# Allegro board 1156197-TDI_VU3P_QSFP28_CXP_V001_1023A-166-20241121_1644_PCB.brd (continued)
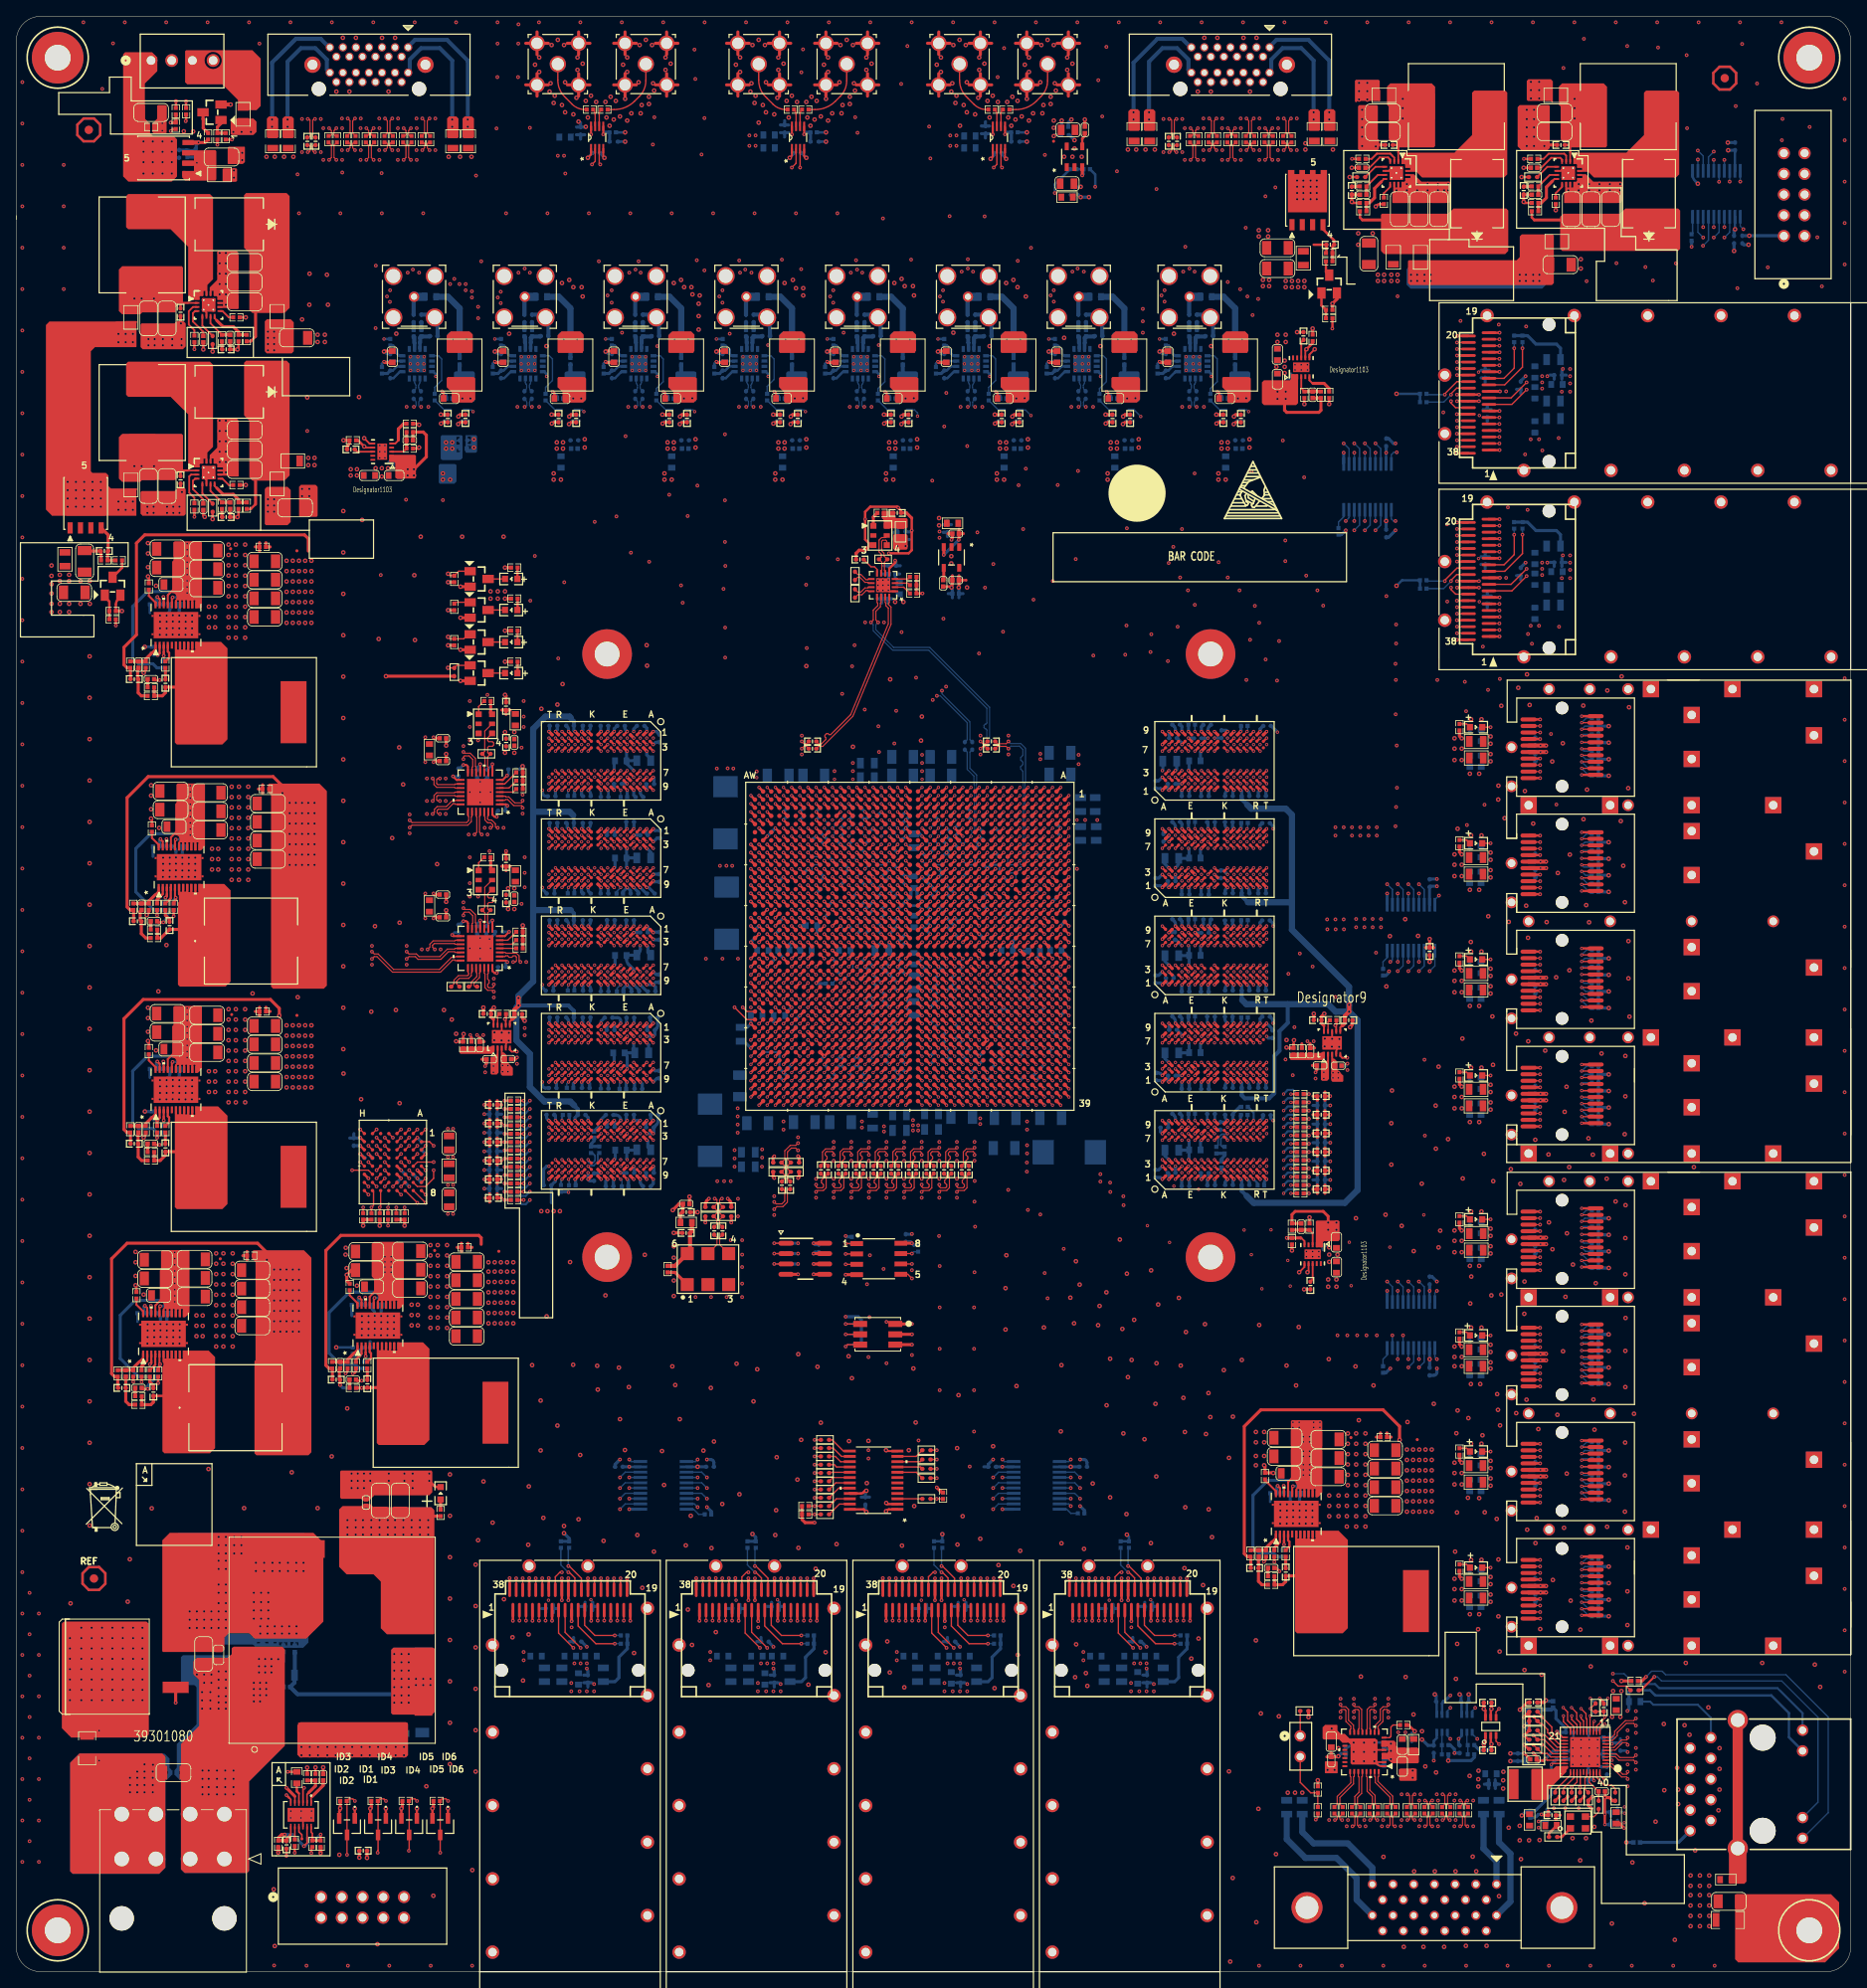
[diagram p0: board, top side]
## Routing (per net, layer and track width the routed paths; a pad name or vN(x,y) marks a point on that pad's centre or on a via; arc(x,y) is an arc through that point) (continued)
CHA_FPGA_DDR4_C2_D12: length 35.4
  TOP w0.267: U13.C2 v3(142.97,121.94) ; U1.K15 v1(120.1,131.36)
  ART16 w0.165: 143.37,120.84 143.37,121.53 142.97,121.93 v3(142.97,121.94)
  ART16 w0.191: v1(120.1,131.36) 119.88,131.13 arc(119.7,130.86) 119.63,130.55 119.63,129.23 arc(119.65,129.14) 119.7,129.07 119.82,128.95 arc(119.9,128.9) 119.99,128.88 120.11,128.88 arc(120.28,128.85) 120.43,128.75 120.45,128.73 arc(120.56,128.56) 120.6,128.36 120.6,128.22 arc(120.61,128.15) 120.66,128.09 120.74,128.01 arc(120.87,127.92) 121.02,127.89 129.94,127.89 arc(130.06,127.89) 130.18,127.88 arc(131.35,127.58) 132.34,126.89 140.95,118.29 arc(141.17,118.14) 141.43,118.08 142.37,118.08 143.37,119.08 143.37,120.84
CHA_FPGA_DDR4_C2_D13: length 35.6
  TOP w0.267: U13.C8 v3(142.97,126.74) ; U1.K13 v1(120.1,133.36)
  ART16 w0.165: 143.45,128.62 143.37,128.53 143.37,126.9 143.2,126.74 v3(142.97,126.74)
  ART16 w0.191: 143.45,128.62 143.54,128.7 143.54,129.16 143.34,129.35 142.94,129.35 142.75,129.54 142.75,130.12 140.87,132 139.93,132 139.47,132.46 139.47,134.06 139.21,134.32 138.68,134.32 138.41,134.59 138.41,135.04 136.56,136.88 131.71,136.88 130.92,136.09 130.08,136.09 129.84,135.86 123.94,135.86 123.6,135.51 123.6,135.13 123.37,134.9 122.91,134.9 122.61,135.2 122.61,135.7 122.45,135.86 121.89,135.86 121.54,135.51 121.54,135.13 121.21,134.8 120.92,134.8 120.54,134.43 120.54,133.8 v1(120.1,133.36)
CHA_FPGA_DDR4_C2_D14: length 37.1
  TOP w0.267: U1.H16 v1(122.1,130.36) ; U13.D3 v3(143.77,122.74)
  ART16 w0.165: 141.77,122.13 141.77,123.86 141.58,124.05 141.58,125.07 141.94,125.43 142.91,125.43 143.08,125.26 143.08,124.93 142.91,124.77 142.38,124.77 142.21,124.6 142.21,124.27 142.38,124.11 143.19,124.11 143.36,123.94 143.36,123.15 v3(143.77,122.74)
  ART16 w0.191: v1(122.1,130.36) 122.1,130.05 122.29,129.86 128.36,129.86 128.78,129.44 129.34,129.44 129.51,129.62 129.51,129.92 129.72,130.12 130.13,130.12 130.32,129.93 130.32,129.25 130.51,129.06 130.89,129.06 131.08,129.25 131.08,129.93 131.27,130.12 131.64,130.12 131.83,129.93 131.83,129.06 139.27,121.62 141.55,121.62 141.77,121.83 141.77,122.13
CHA_FPGA_DDR4_C2_D15: length 35.4
  TOP w0.267: U1.L13 v1(119.1,133.36) ; U13.D7 v3(143.77,126.74)
  ART16 w0.165: 144.17,128.48 144.17,127.41 arc(144.12,127.16) 143.98,126.95 v3(143.77,126.74)
  ART16 w0.191: 144.17,128.48 144.17,128.91 143.8,129.78 141.35,132.24 arc(141.07,132.42) 140.74,132.49 140.7,132.49 arc(140.5,132.53) 140.34,132.64 140.26,132.72 arc(140.11,132.94) 140.06,133.2 140.06,134.04 arc(140.01,134.27) 139.88,134.47 137.05,137.3 136.65,137.46 130.8,137.46 arc(130.62,137.45) 130.44,137.39 130.18,137.28 129.44,136.98 arc(129.26,136.92) 129.08,136.91 122,136.91 arc(121.68,136.77) 121.54,136.45 121.54,136.27 arc(121.44,136.02) 121.19,135.91 arc(120.73,135.73) 120.54,135.27 120.54,135.17 arc(120.47,134.99) 120.28,134.91 arc(119.82,134.72) 119.63,134.26 119.63,134.2 arc(119.58,133.91) 119.42,133.67 v1(119.1,133.36)
CHA_FPGA_DDR4_C2_D16: length 33.6
  TOP w0.267: U14.G2 v3(145.37,133.88) ; U1.G17 v1(123.1,129.36)
  ART03 w0.165: 144.97,132.74 144.97,133.48 v3(145.37,133.88)
  ART03 w0.191: v1(123.1,129.36) 123.6,129.86 123.6,130.59 123.87,130.86 125.24,130.86 125.6,131.21 125.6,131.57 125.89,131.86 130.04,131.86 130.31,131.58 130.31,131.08 130.5,130.89 130.88,130.89 131.07,131.08 131.07,131.64 131.27,131.83 131.65,131.83 131.84,131.64 131.84,130.95 132.03,130.76 132.41,130.76 132.6,130.95 132.6,131.64 132.79,131.83 133.17,131.83 133.36,131.64 133.36,130.87 133.55,130.68 133.93,130.68 134.12,130.87 134.12,131.64 134.31,131.83 134.69,131.83 134.88,131.64 134.88,130.87 135.08,130.68 135.46,130.68 135.65,130.87 135.65,131.64 135.84,131.83 144.55,131.83 144.97,132.24 144.97,132.74
CHA_FPGA_DDR4_C2_D17: length 30.8
  TOP w0.267: U1.F14 v1(124.1,132.36) ; U14.F7 v3(144.57,137.88)
  ART03 w0.165: 140.36,138.28 144.35,138.28 144.57,138.06 v3(144.57,137.88)
  ART03 w0.191: v1(124.1,132.36) 124.1,132.67 123.57,133.2 123.57,134.49 123.93,134.86 124.24,134.86 124.59,135.2 124.59,135.64 124.81,135.86 129.51,135.86 129.79,136.14 130.96,136.14 132.22,137.4 132.7,137.4 133.43,138.13 136.7,138.13 136.9,138.32 136.9,139.03 137.09,139.22 137.47,139.22 137.66,139.03 137.66,138.13 137.85,137.93 138.23,137.93 138.42,138.13 138.42,139.03 138.61,139.22 138.99,139.22 139.18,139.03 139.18,138.13 139.37,137.93 139.79,137.93 140.13,138.28 140.36,138.28
CHA_FPGA_DDR4_C2_D18: length 31.8
  TOP w0.267: U1.E15 v1(125.1,131.36) ; U14.H3 v3(146.16,134.68)
  ART03 w0.165: v3(146.16,134.68) 145.76,134.28 144.33,134.28 144.17,134.11 144.17,132.85 144.17,132.84
  ART03 w0.191: 144.17,132.84 144.17,132.65 143.95,132.44 140.04,132.44 139.84,132.63 139.84,134.1 139.65,134.29 139.27,134.29 139.08,134.1 139.08,132.63 138.89,132.44 138.51,132.44 138.32,132.63 138.32,134.1 138.13,134.29 137.75,134.29 137.56,134.1 137.56,132.63 137.37,132.44 129.84,132.44 129.42,132.86 125.95,132.86 125.6,132.51 125.6,132.2 125.1,131.7 v1(125.1,131.36)
CHA_FPGA_DDR4_C2_D19: length 30.8
  TOP w0.267: U14.H7 v3(146.16,138.68) ; U1.F15 v1(124.1,131.36)
  ART03 w0.165: v3(146.16,138.68) 145.76,138.28 145.76,137.32 145.97,137.11 145.97,135.31 145.75,135.08 140.31,135.08
  ART03 w0.191: v1(124.1,131.36) 124.37,131.36 124.6,131.59 124.6,132.6 124.86,132.86 125.34,132.86 125.6,133.12 125.6,133.67 125.79,133.86 129.29,133.86 130.1,133.05 136.5,133.05 136.91,133.45 136.91,134.82 137.16,135.08 140.31,135.08
CHA_FPGA_DDR4_C2_D20: length 33.5
  TOP w0.267: U14.H2 v3(146.96,133.88) ; U1.F17 v1(124.1,129.36)
  ART03 w0.165: 146.57,132.82 146.57,133.48 v3(146.96,133.88)
  ART03 w0.191: 146.57,132.82 146.57,131.4 145.77,130.61 143.57,130.61 143.38,130.42 143.38,129.65 143.19,129.46 142.81,129.46 142.62,129.65 142.62,130.42 142.43,130.61 142.05,130.61 141.86,130.42 141.86,129.65 141.67,129.46 141.29,129.46 141.09,129.65 141.09,130.42 140.9,130.61 140.52,130.61 140.33,130.42 140.33,129.65 140.14,129.46 139.76,129.46 139.57,129.65 139.57,130.42 139.38,130.61 139,130.61 138.81,130.42 138.81,129.65 138.62,129.46 128.88,129.46 128.49,129.86 124.6,129.86 v1(124.1,129.36)
CHA_FPGA_DDR4_C2_D21: length 33.5
  TOP w0.267: U14.H8 v3(146.16,139.48) ; U1.G16 v1(123.1,130.36)
  ART03 w0.165: 144.97,140.43 144.97,140.07 145.16,139.88 145.55,139.88 arc(145.75,139.84) 145.92,139.72 v3(146.16,139.48)
  ART03 w0.191: v1(123.1,130.36) 122.97,130.41 122.6,131.3 122.6,136.49 122.96,136.86 124.17,136.86 124.32,136.92 124.6,137.2 124.6,137.58 124.88,137.86 129.32,137.86 130.18,138.31 132.49,139.86 134.86,140.84 144.56,140.84 arc(144.67,140.82) 144.76,140.76 144.97,140.56 144.97,140.43
CHA_FPGA_DDR4_C2_D22: length 32.9
  TOP w0.267: U1.E17 v1(125.1,129.36) ; U14.J3 v3(146.97,135.48)
  ART03 w0.165: v3(146.97,135.48) 147.18,135.48 147.36,135.29 147.36,133.44 147.45,133.36
  ART03 w0.191: v1(125.1,129.36) 125.6,128.86 129.66,128.86 144.17,128.86 144.36,129.05 144.36,129.63 144.55,129.82 144.93,129.82 145.12,129.63 145.12,129.05 145.31,128.86 147.12,128.86 147.45,129.18 147.45,129.5 147.26,129.69 146.98,129.69 146.79,129.88 146.79,130.27 146.98,130.46 147.21,130.46 147.45,130.7 147.45,133.36
CHA_FPGA_DDR4_C2_D23: length 32.4
  TOP w0.267: U1.E16 v1(125.1,130.36) ; U14.J7 v3(146.97,137.88)
  ART03 w0.165: v3(146.97,137.88) 146.77,137.88 146.56,137.67 146.56,134.21 145.77,133.42 145.77,132.87
  ART03 w0.191: 145.77,132.87 145.77,131.54 145.44,131.22 138.2,131.22 138.01,131.03 138.01,130.24 137.82,130.05 137.44,130.05 137.25,130.24 137.25,131.03 137.06,131.22 136.68,131.22 136.49,131.03 136.49,130.24 136.3,130.05 130.18,130.05 129.37,130.86 125.93,130.86 125.43,130.36 v1(125.1,130.36)
CHA_FPGA_DDR4_C2_D24: length 26.9
  TOP w0.267: U1.C16 v1(127.1,130.36) ; U14.A3 v3(140.56,135.48)
  ART07 w0.165: v3(140.56,135.48) 140.62,135.48 140.96,135.13 140.96,132.91
  ART07 w0.191: v1(127.1,130.36) 127.6,129.86 129.42,129.86 129.54,129.97 130.63,129.97 130.96,129.64 132.59,129.64 132.84,129.9 132.84,131.18 133.03,131.37 133.47,131.37 133.66,131.18 133.66,129.81 133.85,129.62 134.23,129.62 134.42,129.81 134.42,131.18 134.61,131.37 134.99,131.37 135.18,131.18 135.18,129.81 135.37,129.62 135.75,129.62 135.94,129.81 135.94,131.18 136.14,131.37 140.08,131.37 140.96,132.25 140.96,132.91
CHA_FPGA_DDR4_C2_D25: length 22.6
  TOP w0.267: U14.B8 v3(141.36,138.68) ; U1.B14 v1(128.1,132.36)
  ART07 w0.191: v3(141.36,138.68) 136.51,138.68 136.51,138.68 136.24,138.68 136.05,138.49 136.05,138.22 137.1,137.17 137.1,136.9 136.86,136.66 136.54,136.66 135.5,137.69 135.23,137.69 134.96,137.42 134.96,137.16 135.87,136.24 135.87,135.97 134.49,134.59 131.93,134.59 130.19,132.86 128.92,132.86 128.42,132.36 v1(128.1,132.36)
CHA_FPGA_DDR4_C2_D26: length 22.6
  TOP w0.267: U1.A14 v1(129.1,132.36) ; U14.C3 v3(142.97,135.48)
  ART07 w0.165: v3(142.97,135.48) 141.76,136.69 141.76,137.71 141.76,138.04 141.52,138.28 140.36,138.28
  ART07 w0.191: 140.36,138.28 140.03,138.28 139.67,137.92 138.93,137.92 138.53,137.52 138.53,137.25 138.96,136.82 138.96,136.55 138.69,136.28 138.42,136.28 137.99,136.71 137.72,136.71 137.45,136.44 137.45,136.17 137.83,135.79 137.83,135.52 137.56,135.25 137.3,135.25 136.91,135.63 136.65,135.63 134.97,133.96 132.11,133.96 130.35,132.21 129.25,132.21 v1(129.1,132.36)
CHA_FPGA_DDR4_C2_D27: length 26.6
  TOP w0.267: U14.C7 v3(142.17,137.88) ; U1.B16 v1(128.1,130.36)
  ART07 w0.165: 140.82,139.22 140.96,139.07 141.85,139.07 142.17,138.76 v3(142.17,137.88)
  ART07 w0.191: 140.82,139.22 140.47,139.56 139.34,139.56 139.12,139.34 138.58,139.34 138.36,139.56 137.81,139.56 137.6,139.34 137.05,139.34 136.84,139.56 136.08,139.56 133.89,137.37 133.89,137.1 134.75,136.24 134.75,135.97 134.48,135.7 134.21,135.7 133.49,136.42 133.22,136.42 132.95,136.15 132.95,135.88 133.16,135.67 133.16,135.4 132.92,135.17 132.58,135.17 132.27,135.48 132,135.48 130.38,133.86 128.9,133.86 128.6,133.55 128.6,133.17 128.28,132.86 127.9,132.86 127.58,132.54 127.58,130.87 v1(128.1,130.36)
CHA_FPGA_DDR4_C2_D28: length 25.5
  TOP w0.267: U14.C2 v3(142.97,134.68) ; v1(127.1,129.36) 127.1,129.36 U1.B17
  ART07 w0.165: 141.77,132.89 141.77,134.9 141.94,135.08 142.57,135.08 v3(142.97,134.68)
  ART07 w0.191: v1(127.1,129.36) 130.31,129.36 130.66,129.01 136.48,129.01 136.67,129.2 136.67,130.54 136.86,130.73 137.25,130.73 137.44,130.54 137.44,129.4 137.63,129.21 138.38,129.21 138.68,129.51 138.68,130.03 138.54,130.17 138.54,130.44 138.81,130.71 139.08,130.71 139.59,130.2 139.86,130.2 141.77,132.11 141.77,132.89
CHA_FPGA_DDR4_C2_D29: length 26.6
  TOP w0.267: U1.D16 v1(126.1,130.36) ; U14.C8 v3(142.97,138.68)
  ART07 w0.165: 142.57,140.53 U14.C8 v3(142.97,138.68)
  ART07 w0.191: 142.57,140.53 142.37,140.72 139.71,140.72 139.38,140.39 138.9,140.39 138.57,140.72 138.19,140.72 138,140.53 138,140.32 137.8,140.13 137.42,140.13 137.23,140.32 137.23,140.53 137.04,140.72 136.37,140.72 131.85,136.19 131.09,136.19 130.6,135.71 130.6,135.12 130.34,134.86 128.89,134.86 127.6,133.57 127.6,133.19 127.15,132.74 127.15,132.08 126.6,131.53 126.6,130.64 126.32,130.36 v1(126.1,130.36)
CHA_FPGA_DDR4_C2_D30: length 25.2
  TOP w0.267: U14.D3 v3(143.77,135.48) ; U1.A17 129.1,128.36 v1(129.1,128.36)
  ART07 w0.165: v3(143.77,135.48) 143.77,135.46 144.17,135.06 144.17,132.89
  ART07 w0.191: v1(129.1,128.36) 129.71,128.36 130.23,127.84 139.34,127.84 140.51,129.01 141.63,129.01 141.83,129.2 141.83,130.09 142.02,130.28 142.4,130.28 142.59,130.09 142.59,129.2 142.78,129.01 143.26,129.01 143.48,129.24 143.48,132.05 144.17,132.74 144.17,132.89
CHA_FPGA_DDR4_C2_D31: length 26.2
  TOP w0.267: U1.D15 v1(126.1,131.36) ; U14.D7 v3(143.77,138.68)
  ART07 w0.165: 143.37,140.52 143.37,139.08 v3(143.77,138.68)
  ART07 w0.191: v1(126.1,131.36) 126.1,131.64 126.6,132.14 126.6,133.53 126.92,133.86 127.25,133.86 128.6,135.2 128.6,135.59 128.87,135.86 129.89,135.86 130.94,136.91 131.7,136.91 136.14,141.35 142.54,141.35 143.37,140.53 143.37,140.52
CHA_FPGA_DDR4_C2_D32: length 38.3
  TOP w0.267: U1.B22 127.1,123.36 v1(127.1,123.36) ; U15.G2 145.77,110.4 v3(146.16,110.8)
  ART05 w0.165: v3(146.16,110.8) 146.16,110.73 145.03,109.6 140.31,109.6
  ART05 w0.191: 140.31,109.6 140.28,109.6 139.96,109.28 139.69,109.28 139.5,109.47 139.5,110.1 139.31,110.29 138.93,110.29 138.74,110.1 138.74,109.46 138.55,109.27 137.87,109.27 137.33,109.81 137.33,110.08 138.52,111.27 138.52,111.54 138.25,111.81 137.98,111.81 136.79,110.62 136.52,110.62 136.25,110.89 136.25,111.16 137.23,112.14 137.23,112.4 136.96,112.67 136.69,112.67 135.71,111.7 135.44,111.7 134.44,112.7 134.44,118.01 130.07,122.38 128.73,122.38 128.25,122.86 127.94,122.86 127.44,123.36 v1(127.1,123.36)
CHA_FPGA_DDR4_C2_D33: length 35.6
  TOP w0.267: U15.F7 v3(144.57,114) ; v1(129.1,126.36) 129.1,126.36 U1.A19
  ART05 w0.165: v3(144.57,114) 144.57,114.13 144.3,114.4 141.18,114.4 140.96,114.61 140.96,116.61
  ART05 w0.191: 140.96,116.61 140.96,116.81 137.58,120.19 137.58,126.15 137.37,126.36 134.76,126.36 134.57,126.55 134.57,127.88 134.38,128.07 133.99,128.07 133.8,127.88 133.8,126.55 133.61,126.36 133.23,126.36 133.04,126.55 133.04,127.88 132.85,128.07 132.47,128.07 132.28,127.88 132.28,126.55 132.09,126.36 131.71,126.36 131.52,126.55 131.52,127.88 131.33,128.07 130.95,128.07 130.76,127.88 130.76,126.55 130.57,126.36 v1(129.1,126.36)
CHA_FPGA_DDR4_C2_D34: length 38.7
  TOP w0.267: U15.H3 v3(146.16,111.6) ; U1.C19 v1(127.1,127.36)
  ART05 w0.165: 140.38,111.21 145.53,111.21 145.92,111.6 v3(146.16,111.6)
  ART05 w0.191: v1(127.1,127.36) 126.82,127.36 126.58,127.11 126.58,126.2 126.8,125.98 126.8,125.65 126.58,125.43 126.35,125.43 126.17,125.26 126.17,124.98 126.6,124.55 126.6,124.22 126.97,123.86 129.28,123.86 129.67,123.47 130.61,123.47 131.09,122.99 131.36,122.99 131.99,123.62 132.26,123.62 132.53,123.35 132.53,123.08 131.9,122.45 131.9,122.18 133.48,120.6 134.8,120.6 135.18,120.22 135.18,119.33 137.12,117.39 137.12,117.12 135.94,115.94 135.94,115.67 136.21,115.4 136.48,115.4 137.66,116.58 137.93,116.58 138.73,115.77 138.73,113.11 139.98,111.86 139.98,111.42 140.19,111.21 140.38,111.21
CHA_FPGA_DDR4_C2_D35: length 35.6
  TOP w0.267: U15.H7 v3(146.16,114) ; v1(129.1,127.36) 129.1,127.36 U1.A18
  ART05 w0.165: 144.97,116.65 144.97,114.62 145.19,114.39 145.53,114.39 145.55,114.38 145.75,114.38 146.12,114 v3(146.16,114)
  ART05 w0.191: v1(129.1,127.36) 129.4,127.36 129.59,127.55 129.59,128.68 130.18,129.26 138.46,129.26 138.82,128.89 138.82,120.56 141.86,117.53 142.89,117.53 143.08,117.72 143.08,119.09 143.27,119.28 143.65,119.28 143.84,119.09 143.84,117.72 144.03,117.53 144.65,117.53 144.97,117.21 144.97,116.65
CHA_FPGA_DDR4_C2_D36: length 35.9
  TOP w0.267: v1(126.1,127.36) 126.1,127.36 U1.D18 ; U15.H2 v3(146.16,110)
  ART05 w0.165: 145.76,109 145.76,109.29 arc(145.82,109.58) 145.99,109.83 v3(146.16,110)
  ART05 w0.191: v1(126.1,127.36) 125.94,127.19 arc(125.69,126.82) 125.6,126.39 125.6,124.33 arc(125.63,124.22) 125.69,124.12 125.9,123.91 arc(125.96,123.87) 126.03,123.86 126.2,123.86 arc(126.32,123.83) 126.43,123.76 126.43,123.76 arc(126.56,123.57) 126.6,123.35 126.6,123.26 arc(126.62,123.17) 126.67,123.09 126.83,122.93 arc(126.91,122.88) 127.01,122.86 127.2,122.86 arc(127.3,122.84) 127.39,122.78 127.54,122.62 arc(127.59,122.56) 127.6,122.48 127.6,122.16 arc(127.62,122.09) 127.66,122.03 127.66,122.02 arc(127.84,121.9) 128.05,121.86 128.94,121.86 arc(129.59,121.75) 130.18,121.44 arc(130.28,121.35) 130.38,121.26 133.4,118.24 arc(133.68,117.81) 133.78,117.31 133.78,113.03 arc(133.87,112.56) 134.14,112.16 137.41,108.89 arc(137.72,108.68) 138.09,108.61 145.49,108.61 145.76,108.88 145.76,109
CHA_FPGA_DDR4_C2_D37: length 38.7
  TOP w0.267: U1.B19 v1(128.1,127.36) ; U15.H8 v3(146.16,114.8)
  ART05 w0.165: v3(146.16,114.8) 146.13,114.8 145.76,115.17 145.76,116.66
  ART05 w0.191: v1(128.1,127.36) 127.79,127.36 127.6,127.55 127.6,128.62 127.91,128.93 129.01,128.93 129.48,129.4 129.48,129.65 129.67,129.84 138.89,129.84 139.4,129.34 139.4,120.8 140.28,119.91 141.45,119.91 141.64,119.72 141.64,118.53 141.83,118.34 142.21,118.34 142.4,118.53 142.4,119.72 142.59,119.91 143.87,119.91 144.67,119.11 144.67,118.84 144.43,118.6 144.43,118.33 144.7,118.06 144.97,118.06 145.21,118.3 145.48,118.3 145.76,118.01 145.76,116.66
CHA_FPGA_DDR4_C2_D38: length 38.5
  TOP w0.267: U1.A22 128.1,123.36 v1(128.1,123.36) ; U15.J3 v3(146.97,111.6)
  ART05 w0.165: 140.33,110.4 145.2,110.4 145.99,111.19 145.99,111.19 146,111.19 146.68,111.19 146.97,111.48 v3(146.97,111.6)
  ART05 w0.191: v1(128.1,123.36) 128.36,123.36 128.83,122.89 130.38,122.89 133.53,119.73 133.8,119.73 134.05,119.99 134.32,119.99 134.59,119.72 134.59,119.45 134.34,119.2 134.34,118.93 135.03,118.24 135.03,117.8 135.22,117.61 135.93,117.61 136.12,117.42 136.12,117.04 135.93,116.85 135.22,116.85 135.03,116.66 135.03,115.01 135.22,114.82 137.96,114.82 138.15,114.63 138.15,114.25 137.96,114.06 135.22,114.06 135.03,113.87 135.03,113 135.38,112.65 135.76,112.65 136.4,113.28 137.62,113.28 139.22,111.68 139.22,111.28 140.09,110.4 140.33,110.4
CHA_FPGA_DDR4_C2_D39: length 36.6
  TOP w0.267: U1.C18 v1(127.1,128.36) ; U15.J7 v3(146.97,114.8)
  ART05 w0.165: 146.56,116.65 146.56,115.2 v3(146.97,114.8)
  ART05 w0.191: 146.56,116.65 146.56,118.13 144.12,120.57 140.44,120.57 139.99,121.02 139.99,129.63 139.19,130.43 129.82,130.43 129.39,130.86 127.81,130.86 127.6,130.65 127.6,129.18 127.1,128.68 v1(127.1,128.36)
CHA_FPGA_DDR4_C2_D40: length 33.7
  TOP w0.267: U15.A3 v3(140.56,110.8) ; U1.G20 v1(123.1,126.36)
  ART03 w0.191: v1(123.1,126.36) 122.77,126.36 122.6,126.19 122.6,120.22 122.97,119.86 129.42,119.86 131.85,117.42 131.85,116.74 133.48,115.11 133.48,110.69 134.47,109.7 139.62,109.7 140.56,110.64 v3(140.56,110.8)
CHA_FPGA_DDR4_C2_D41: length 34
  TOP w0.267: U15.B8 v3(141.36,114.8) ; U1.D21 v1(126.1,124.36)
  ART03 w0.191: v1(126.1,124.36) 126.1,124.02 126.29,123.83 129.39,123.83 129.69,123.52 130.26,123.52 130.45,123.71 130.45,124.63 130.65,124.82 131.03,124.82 131.22,124.63 131.22,123.71 131.41,123.52 131.79,123.52 131.98,123.71 131.98,124.52 132.17,124.71 132.55,124.71 132.74,124.52 132.74,123.49 136.27,119.96 136.27,119.09 136.46,118.9 136.79,118.9 136.98,118.71 136.98,118.33 136.79,118.14 136.46,118.14 136.27,117.95 136.27,117.35 136.64,116.98 136.91,116.98 137.65,117.73 137.92,117.73 138.19,117.46 138.19,117.19 137.44,116.44 137.44,116.17 137.71,115.9 137.98,115.9 138.73,116.65 139,116.65 139.27,116.38 139.27,116.11 138.18,115.02 138.18,114.66 138.4,114.43 138.79,114.43 139.78,115.42 141.02,115.42 141.36,115.07 v3(141.36,114.8)
CHA_FPGA_DDR4_C2_D42: length 33.7
  TOP w0.267: U15.C3 v3(142.97,110.8) ; U1.G19 v1(123.1,127.36)
  ART03 w0.165: v3(142.97,110.8) 142.89,110.8 142.57,111.12 142.57,112.83 141.77,113.63 141.77,114.17 141.53,114.4 140.34,114.4
  ART03 w0.191: v1(123.1,127.36) 123.39,127.36 123.6,127.15 123.6,125.07 123.78,124.89 124.38,124.89 124.6,124.67 124.6,124.19 124.94,123.86 125.44,123.86 125.6,123.7 125.6,123.01 125.76,122.86 129.49,122.86 129.57,122.94 132.41,122.94 135.69,119.66 135.69,117.12 137.59,115.21 137.59,114.38 138.13,113.84 139.04,113.84 139.6,114.4 140.34,114.4
CHA_FPGA_DDR4_C2_D43: length 34.6
  TOP w0.267: U15.C7 v3(142.17,114) ; U1.F20 v1(124.1,126.36)
  ART03 w0.165: 141.77,114.94 141.77,114.65 141.77,114.64 141.77,114.64 142.17,114.25 v3(142.17,114)
  ART03 w0.191: 141.77,114.94 141.77,115.28 141.1,115.95 140.09,115.95 139.88,116.17 139.88,116.71 136.86,119.74 136.86,120.19 135.44,121.61 135.44,121.88 136.37,122.82 136.37,123.09 136.1,123.36 135.83,123.36 134.9,122.42 134.63,122.42 134.36,122.69 134.36,122.96 135.29,123.9 135.29,124.17 135.03,124.44 134.76,124.44 133.82,123.5 133.55,123.5 133.32,123.72 133.32,124.08 134.16,124.92 134.16,125.21 133.9,125.48 130.45,125.48 129.79,124.82 125.22,124.82 124.66,125.37 124.21,125.37 124.08,125.51 124.08,126.34 v1(124.1,126.36)
CHA_FPGA_DDR4_C2_D44: length 33.7
  TOP w0.267: U15.C2 v3(142.17,110.8) ; U1.E21 v1(124.1,124.36)
  ART03 w0.165: 140.38,111.2 140.74,111.2 140.96,110.98 140.96,110.46 141.31,110.11 141.85,110.11 142.17,110.43 v3(142.17,110.8)
  ART03 w0.191: 140.38,111.2 139.7,111.2 139.51,111.01 139.51,110.53 139.32,110.34 138.94,110.34 138.75,110.53 138.75,111.01 138.56,111.2 138.23,111.2 137.36,110.34 134.75,110.34 134.06,111.02 134.06,115.39 132.54,116.92 132.54,117.58 129.26,120.86 123.9,120.86 123.6,121.15 123.6,124.15 123.81,124.36 v1(124.1,124.36)
CHA_FPGA_DDR4_C2_D45: length 34.5
  TOP w0.267: U15.C8 v3(142.17,114.8) ; U1.F19 v1(124.1,127.36)
  ART03 w0.165: 141.77,116.59 141.77,115.99 142.17,115.59 v3(142.17,114.8) ; 141.77,116.79 141.76,116.8
  ART03 w0.191: 141.76,116.8 141.76,116.84 141.16,117.43 140.9,117.43 140.57,117.11 140.3,117.11 140.03,117.37 140.03,117.64 140.36,117.97 140.36,118.24 140.09,118.51 139.82,118.51 139.49,118.18 139.22,118.18 138.95,118.45 138.95,118.72 139.28,119.05 139.28,119.32 139.01,119.59 138.74,119.59 138.41,119.26 138.14,119.26 137.52,119.89 137.52,120.94 138.3,121.73 138.3,122 138.03,122.27 137.76,122.27 136.94,121.44 136.67,121.44 136.44,121.68 136.44,121.95 137.3,122.81 137.3,123.08 134.24,126.14 130.39,126.14 130.28,126.09 129.55,125.36 125.44,125.36 124.64,126.16 124.64,127.09 124.37,127.36 v1(124.1,127.36) ; 141.77,116.59 141.77,116.79
CHA_FPGA_DDR4_C2_D46: length 31.7
  TOP w0.267: U1.E18 v1(125.1,128.36) ; U15.D3 v3(143.77,111.6)
  ART03 w0.165: 144.17,116.71 144.17,112.57 arc(144.06,112.04) v3(143.77,111.6)
  ART03 w0.191: v1(125.1,128.36) 125.36,128.36 125.86,127.86 129.46,127.86 129.54,127.94 134.24,127.94 arc(135.32,127.72) 136.23,127.11 139.61,123.74 arc(139.94,123.24) 140.06,122.65 140.06,121.17 arc(140.09,120.99) 140.19,120.85 144.17,116.87 144.17,116.71
CHA_FPGA_DDR4_C2_D47: length 31.3
  TOP w0.267: U15.D7 v3(142.97,114) ; U1.F18 v1(124.1,128.36)
  ART03 w0.165: 143.37,116.59 143.37,116.09 143.05,115.78 143.05,115.43 143.37,115.12 143.37,114.18 143.19,114 v3(142.97,114)
  ART03 w0.191: 143.37,116.59 143.37,116.86 139.52,120.7 139.52,122.53 138.26,123.79 138.26,124.18 137.91,124.52 137.53,124.52 137.18,124.87 137.18,125.25 136.83,125.6 136.45,125.6 136.1,125.95 136.1,126.33 135.75,126.68 135.37,126.68 134.75,127.3 129.74,127.3 129.3,126.86 125.77,126.86 125.6,127.03 125.6,127.6 125.35,127.86 124.29,127.86 124.1,128.05 v1(124.1,128.36)
CHA_FPGA_DDR4_C2_D48: length 53.4
  TOP w0.267: U17.G2 v3(145.37,98.86) ; U1.K18 v1(120.1,128.36)
  ART07 w0.165: v3(145.37,98.86) 145.18,98.68 arc(144.94,98.52) 144.66,98.46 142.53,98.46
  ART07 w0.191: 142.53,98.46 142.47,98.4 140.45,98.4 140.08,98.52 139.57,98.73 136.62,99.96 132.14,104.43 131.19,106.73 131.19,115.58 130.18,118.03 129.5,119.66 129.21,119.86 119.92,119.86 119.54,120.23 119.54,120.54 119.17,120.91 118.92,120.91 118.66,121.17 118.66,121.43 118.23,121.86 117.82,121.86 117.65,122.02 117.65,125.45 117.66,125.46 117.66,125.54 117.92,125.8 118.28,125.8 118.54,126.06 118.54,126.43 118.97,126.86 119.26,126.86 119.6,127.2 119.66,127.33 119.66,127.71 119.8,128.06 v1(120.1,128.36)
CHA_FPGA_DDR4_C2_D49: length 54.3
  TOP w0.267: v1(122.1,123.36) 122.1,123.36 U1.G22 ; U17.F7 v3(144.57,102.06)
  ART07 w0.165: v3(144.57,102.06) 144.17,102.46 140.35,102.46
  ART07 w0.191: 140.35,102.46 140.29,102.46 140.07,102.68 140.07,103.09 139.88,103.28 139.5,103.28 139.31,103.09 139.31,102.68 139.12,102.49 138.89,102.49 134.34,107.04 134.34,114.13 134.53,114.32 136.33,114.32 136.53,114.51 136.53,114.9 136.33,115.09 134.89,115.09 134.7,115.28 134.7,115.66 134.89,115.85 136.33,115.85 136.53,116.04 136.53,116.42 136.33,116.61 135.67,116.61 135.48,116.8 135.48,117.18 135.67,117.37 136.33,117.37 136.53,117.56 136.53,117.94 136.33,118.13 135.62,118.13 135.43,118.32 135.43,118.71 135.62,118.9 136.33,118.9 136.53,119.09 136.53,119.47 136.33,119.66 135.65,119.66 135.46,119.85 135.46,120.23 135.65,120.42 136.33,120.42 136.53,120.61 136.53,120.99 134.66,122.86 122.6,122.86 v1(122.1,123.36)
CHA_FPGA_DDR4_C2_D50: length 54.6
  TOP w0.267: v1(122.1,124.36) 122.1,124.36 U1.G21 ; U17.H3 v3(146.16,99.66)
  ART07 w0.165: 144.97,104.62 144.97,102.71 145.21,102.46 145.53,102.46 145.76,102.23 145.76,101.91 146.16,101.51 v3(146.16,99.66)
  ART07 w0.191: 144.97,104.62 144.97,104.74 144.77,104.93 138.38,104.93 137.69,105.61 137.69,107.25 137.5,107.44 136.18,107.44 135.99,107.63 135.99,108.01 136.18,108.2 137.5,108.2 137.69,108.39 137.69,108.77 137.5,108.96 136.21,108.96 136.02,109.15 136.02,109.53 136.21,109.72 137.5,109.72 137.69,109.92 137.69,123.24 136.91,124.03 130.07,124.03 129.26,124.84 123.95,124.84 123.47,124.36 v1(122.1,124.36)
CHA_FPGA_DDR4_C2_D51: length 54.3
  TOP w0.267: U17.H7 v3(146.16,102.86) ; U1.J20 v1(121.1,126.36)
  ART07 w0.165: 145.76,104.73 145.76,103.26 v3(146.16,102.86)
  ART07 w0.191: v1(121.1,126.36) 121.1,125.74 121.98,124.86 123.33,124.86 123.83,125.35 129.46,125.35 130.2,124.61 137.13,124.61 138.28,123.47 138.28,105.97 138.71,105.54 139.29,105.54 139.48,105.73 139.48,106.59 139.67,106.78 140.05,106.78 140.24,106.59 140.24,105.73 140.43,105.54 140.81,105.54 141,105.73 141,106.59 141.19,106.78 141.57,106.78 141.76,106.59 141.76,105.73 141.95,105.54 142.34,105.54 142.53,105.73 142.53,106.59 142.72,106.78 143.1,106.78 143.29,106.59 143.29,105.73 143.48,105.54 145.31,105.54 145.76,105.09 145.76,104.73